# KiCad board type-c-card_lexxpluss_2023.kicad_pcb (continued)
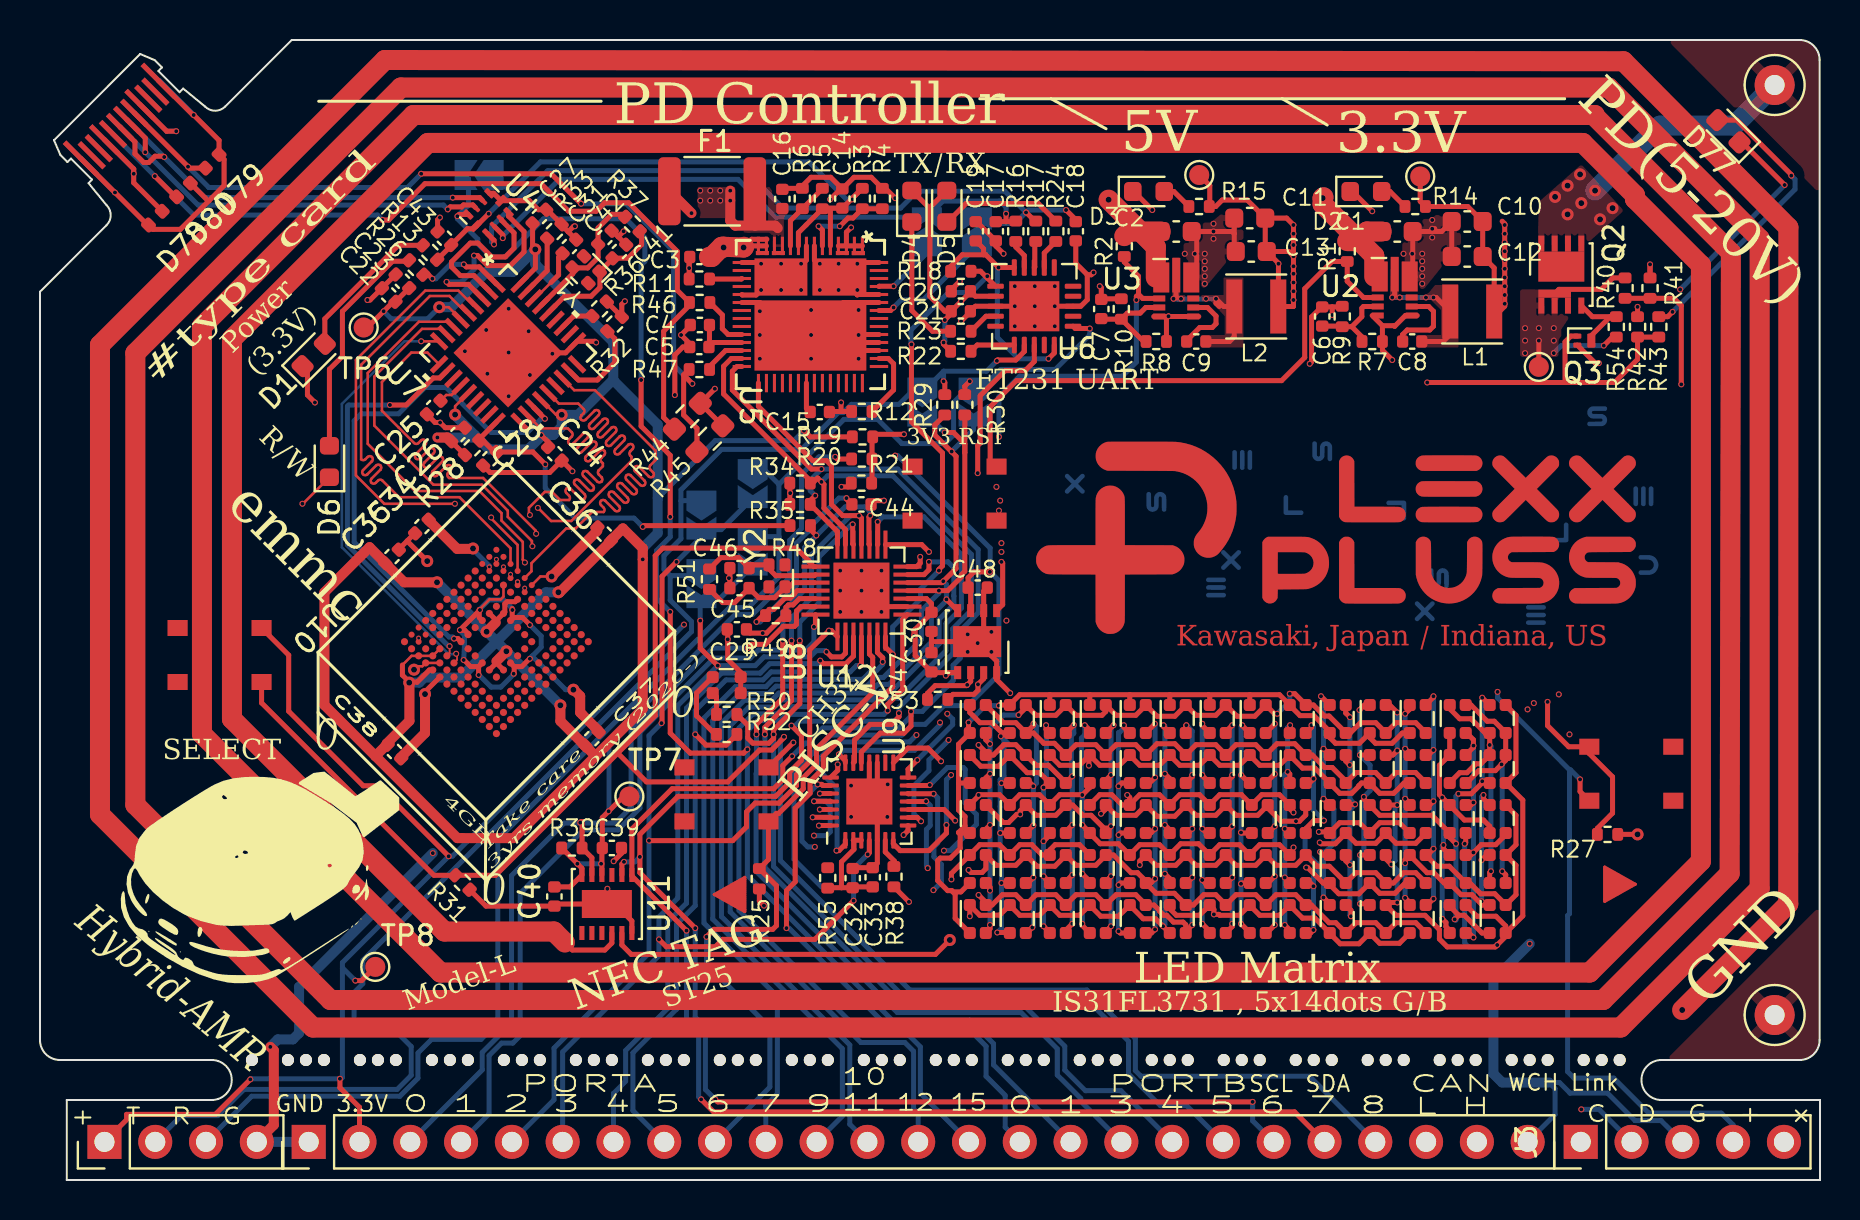
[diagram p0: board, top side]
## Library data of the parts (continued)
TP1-TP8 = -: Description: test point
U2 U3 = -: LCSC: C2158014
U4 = -: LCSC: C129313; MPN: TS3USB221ERSER
U5 = -: LCSC: C2868843
U6 = -: Description: Full Speed USB to Full Handshake UART, QFN-20; LCSC: C132159; MPN: FT231XQ-R
U7 = -: LCSC: C633328; MPN: USB2241I-AEZG-06
U8 = -: Description: CAN-FD Transceiver, Wake-Up on CAN activity, 8Mbps, 5V supply, STBY pin, 3x3 DFN-8; LCSC: C623190; MPN: MCP2542FDT-E/MF
U9 = -: Description: 9x16 LED matrix driver with 8-bit PWM and breathing, QFN-28; LCSC: C191206; MPN: IS31FL3731-QFLS2-TR
U10 = -: LCSC: C391255; MPN: THGBMNG5D1LBAIL
U11 = -: LCSC: C2654815
Y1 Y2 = -: Description: Four pin crystal, GND on pins 2 and 4; LCSC: C255976; MPN: X1E0002510046

## Footprints (pads in the part's own frame, mm; a bottom-side part is the same pattern mirrored in y, then rotated)
BGA_NG5D1LBAIL_TRAY_TOS
  round 0.3 smd: A1(-3.25,-3.25) A2(-3.25,-2.75) A3(-3.25,-2.25) A4(-3.25,-1.75) A5(-3.25,-1.25) A6(-3.25,-0.75) B1(-2.75,-3.25) B2(-2.75,-2.75) B3(-2.75,-2.25) B4(-2.75,-1.75) B5(-2.75,-1.25) B6(-2.75,-0.75) C1(-2.25,-3.25) C2(-2.25,-2.75) M1(2.25,-3.25) M2(2.25,-2.75) N1(2.75,-3.25) N2(2.75,-2.75)
  round 0.356 smd: A7(-3.25,-0.25) A8(-3.25,0.25) A9(-3.25,0.75) A10(-3.25,1.25) A11(-3.25,1.75) A12(-3.25,2.25) A13(-3.25,2.75) A14(-3.25,3.25) B7(-2.75,-0.25) B8(-2.75,0.25) B9(-2.75,0.75) B10(-2.75,1.25) B11(-2.75,1.75) B12(-2.75,2.25) B13(-2.75,2.75) B14(-2.75,3.25) C3(-2.25,-2.25) C4(-2.25,-1.75) C5(-2.25,-1.25) C6(-2.25,-0.75) C7(-2.25,-0.25) C8(-2.25,0.25) C9(-2.25,0.75) C10(-2.25,1.25) C11(-2.25,1.75) C12(-2.25,2.25) C13(-2.25,2.75) C14(-2.25,3.25) D1(-1.75,-3.25) D2(-1.75,-2.75) D3(-1.75,-2.25) D4(-1.75,-1.75) D12(-1.75,2.25) D13(-1.75,2.75) D14(-1.75,3.25) E1(-1.25,-3.25) E2(-1.25,-2.75) E3(-1.25,-2.25) E5(-1.25,-1.25) E6(-1.25,-0.75) E7(-1.25,-0.25) E8(-1.25,0.25) E9(-1.25,0.75) E10(-1.25,1.25) E12(-1.25,2.25) E13(-1.25,2.75) E14(-1.25,3.25) F1(-0.75,-3.25) F2(-0.75,-2.75) F3(-0.75,-2.25) F5(-0.75,-1.25) F10(-0.75,1.25) F12(-0.75,2.25) F13(-0.75,2.75) F14(-0.75,3.25) G1(-0.25,-3.25) G2(-0.25,-2.75) G3(-0.25,-2.25) G5(-0.25,-1.25) G10(-0.25,1.25) G12(-0.25,2.25) G13(-0.25,2.75) G14(-0.25,3.25) H1(0.25,-3.25) H2(0.25,-2.75) H3(0.25,-2.25) H5(0.25,-1.25) H10(0.25,1.25) H12(0.25,2.25) H13(0.25,2.75) H14(0.25,3.25) J1(0.75,-3.25) J2(0.75,-2.75) J3(0.75,-2.25) J5(0.75,-1.25) J10(0.75,1.25) J12(0.75,2.25) J13(0.75,2.75) J14(0.75,3.25) K1(1.25,-3.25) K2(1.25,-2.75) K3(1.25,-2.25) K5(1.25,-1.25) K6(1.25,-0.75) K7(1.25,-0.25) K8(1.25,0.25) K9(1.25,0.75) K10(1.25,1.25) K12(1.25,2.25) K13(1.25,2.75) K14(1.25,3.25) L1(1.75,-3.25) L2(1.75,-2.75) L3(1.75,-2.25) L12(1.75,2.25) L13(1.75,2.75) L14(1.75,3.25) M3(2.25,-2.25) M4(2.25,-1.75) M5(2.25,-1.25) M6(2.25,-0.75) M7(2.25,-0.25) M8(2.25,0.25) M9(2.25,0.75) M10(2.25,1.25) M11(2.25,1.75) M12(2.25,2.25) M13(2.25,2.75) M14(2.25,3.25) N3(2.75,-2.25) N4(2.75,-1.75) N5(2.75,-1.25) N6(2.75,-0.75) N7(2.75,-0.25) N8(2.75,0.25) N9(2.75,0.75) N10(2.75,1.25) N11(2.75,1.75) N12(2.75,2.25) N13(2.75,2.75) N14(2.75,3.25) P1(3.25,-3.25) P2(3.25,-2.75) P3(3.25,-2.25) P4(3.25,-1.75) P5(3.25,-1.25) P6(3.25,-0.75) P7(3.25,-0.25) P8(3.25,0.25) P9(3.25,0.75) P10(3.25,1.25) P11(3.25,1.75) P12(3.25,2.25) P13(3.25,2.75) P14(3.25,3.25)
C_0402_1005Metric
  rrect 0.56x0.62 smd: 1(-0.48,0) 2(0.48,0)
C_0603_1608Metric
  rrect 0.9x0.95 smd: 1(-0.775,0) 2(0.775,0)
DFN-8-1EP_3x3mm_P0.65mm_EP1.55x2.4mm
  rect 0.6x1 smd: (-0.388,0.6) (-0.388,-0.6) (0.388,0.6) (0.388,-0.6)
  rect 0.65x0.35 smd: 1(-1.55,0.975) 2(-1.55,0.325) 3(-1.55,-0.325) 4(-1.55,-0.975) 5(1.55,-0.975) 6(1.55,-0.325) 7(1.55,0.325) 8(1.55,0.975)
  rect 1.55x2.4 smd: 9(0,0)
drill-hall-0.6
  round 0.6 hole 0.6 unplated: (0,0)
Fuse_0402_1005Metric
  rrect 0.59x0.64 smd: 1(-0.485,0) 2(0.485,0)
Fuse_1812_4532Metric
  rrect 1.125x3.4 smd: 1(-2.138,0) 2(2.138,0)
IRFHM9331PbF
  rect 0.6x1 smd: (0.175,0.6) (0.175,-0.6) (0.95,0.6) (0.95,-0.6)
  rect 0.8x0.3 smd: 1(-1.55,1) 2(-1.55,0.333) 3(-1.55,-0.333) 4(-1.55,-1) 5(1.55,-1) 6(1.55,-0.333) 7(1.55,0.333) 8(1.55,1)
  rect 1.5x2.3 smd: 9(0.4,0)
  rect 0.4x1.633 smd: 10(-0.95,0.333)
L_Taiyo-Yuden_NR-30xx
  rect 0.8x2.7 smd: 1(-1.1,0) 2(1.1,0)
LED_0603_1608Metric
  rrect 0.875x0.95 smd: 1(-0.787,0) 2(0.787,0)
MHT194UGBCT
  rrect 0.6x0.6 smd: 1(-0.4,0.7) 2(0.4,0.7) 3(-0.4,-0.7) 4(0.4,-0.7)
PinHeader_1x04_P2.54mm_Vertical
  rect 1.7x1.7 hole 1: 1(0,0)
  oval 1.7x1.7 hole 1: 2(0,-2.54) 3(0,-5.08) 4(0,-7.62)
PinHeader_1x05_P2.54mm_Vertical
  rect 1.7x1.7 hole 1: 1(0,0)
  oval 1.7x1.7 hole 1: 2(0,-2.54) 3(0,-5.08) 4(0,-7.62) 5(0,-10.16)
PinHeader_1x25_P2.54mm_Vertical
  rect 1.7x1.7 hole 1: 1(0,0)
  oval 1.7x1.7 hole 1: 2(0,-2.54) 3(0,-5.08) 4(0,-7.62) 5(0,-10.16) 6(0,-12.7) 7(0,-15.24) 8(0,-17.78) 9(0,-20.32) 10(0,-22.86) 11(0,-25.4) 12(0,-27.94) 13(0,-30.48) 14(0,-33.02) 15(0,-35.56) 16(0,-38.1) 17(0,-40.64) 18(0,-43.18) 19(0,-45.72) 20(0,-48.26) 21(0,-50.8) 22(0,-53.34) 23(0,-55.88) 24(0,-58.42) 25(0,-60.96)
QFN36_6X6MC_MCH
  rect 1.067x0.254 smd: 1(-2.845,2.032) 2(-2.845,1.524) 3(-2.845,1.016) 4(-2.845,0.508) 5(-2.845,0) 6(-2.845,-0.508) 7(-2.845,-1.016) 8(-2.845,-1.524) 9(-2.845,-2.032) 19(2.845,-2.032) 20(2.845,-1.524) 21(2.845,-1.016) 22(2.845,-0.508) 23(2.845,0) 24(2.845,0.508) 25(2.845,1.016) 26(2.845,1.524) 27(2.845,2.032)
  rect 0.254x1.067 smd: 10(-2.032,-2.845) 11(-1.524,-2.845) 12(-1.016,-2.845) 13(-0.508,-2.845) 14(0,-2.845) 15(0.508,-2.845) 16(1.016,-2.845) 17(1.524,-2.845) 18(2.032,-2.845) 28(2.032,2.845) 29(1.524,2.845) 30(1.016,2.845) 31(0.508,2.845) 32(0,2.845) 33(-0.508,2.845) 34(-1.016,2.845) 35(-1.524,2.845) 36(-2.032,2.845)
  rect 3.861x3.861 smd: 37(0,0)
QFN-20-1EP_4x4mm_P0.5mm_EP2.5x2.5mm
  rrect 1.01x1.01 smd: (-0.625,0.625) (-0.625,-0.625) (0.625,0.625) (0.625,-0.625)
  rrect 0.825x0.25 smd: 1(-1.938,1) 2(-1.938,0.5) 3(-1.938,0) 4(-1.938,-0.5) 5(-1.938,-1) 11(1.938,-1) 12(1.938,-0.5) 13(1.938,0) 14(1.938,0.5) 15(1.938,1)
  rrect 0.25x0.825 smd: 6(-1,-1.938) 7(-0.5,-1.938) 8(0,-1.938) 9(0.5,-1.938) 10(1,-1.938) 16(1,1.938) 17(0.5,1.938) 18(0,1.938) 19(-0.5,1.938) 20(-1,1.938)
  rect 2.5x2.5 smd: 21(0,0)
QFN-28-1EP_4x4mm_P0.4mm_EP2.3x2.3mm
  rrect 0.93x0.93 smd: (-0.575,0.575) (-0.575,-0.575) (0.575,0.575) (0.575,-0.575)
  rrect 0.825x0.2 smd: 1(-1.938,1.2) 2(-1.938,0.8) 3(-1.938,0.4) 4(-1.938,0) 5(-1.938,-0.4) 6(-1.938,-0.8) 7(-1.938,-1.2) 15(1.938,-1.2) 16(1.938,-0.8) 17(1.938,-0.4) 18(1.938,0) 19(1.938,0.4) 20(1.938,0.8) 21(1.938,1.2)
  rrect 0.2x0.825 smd: 8(-1.2,-1.938) 9(-0.8,-1.938) 10(-0.4,-1.938) 11(0,-1.938) 12(0.4,-1.938) 13(0.8,-1.938) 14(1.2,-1.938) 22(1.2,1.938) 23(0.8,1.938) 24(0.4,1.938) 25(0,1.938) 26(-0.4,1.938) 27(-0.8,1.938) 28(-1.2,1.938)
  rect 2.3x2.3 smd: 29(0,0)
R_0402_1005Metric
  rrect 0.54x0.64 smd: 1(-0.51,0) 2(0.51,0)
R_0603_1608Metric_Pad0.98x0.95mm_HandSolder
  rrect 0.975x0.95 smd: 1(-0.912,0) 2(0.912,0)
RSH56_7P15X7P15_TEX
  rect 0.914x0.152 smd: 1(-3.429,2.6) 2(-3.429,2.2) 3(-3.429,1.8) 4(-3.429,1.4) 5(-3.429,1) 6(-3.429,0.6) 7(-3.429,0.2) 8(-3.429,-0.2) 9(-3.429,-0.6) 10(-3.429,-1) 11(-3.429,-1.4) 12(-3.429,-1.8) 13(-3.429,-2.2) 14(-3.429,-2.6) 29(3.429,-2.6) 30(3.429,-2.2) 31(3.429,-1.8) 32(3.429,-1.4) 33(3.429,-1) 34(3.429,-0.6) 35(3.429,-0.2) 36(3.429,0.2) 37(3.429,0.6) 38(3.429,1) 39(3.429,1.4) 40(3.429,1.8) 41(3.429,2.2) 42(3.429,2.6)
  rect 0.152x0.914 smd: 15(-2.6,-3.429) 16(-2.2,-3.429) 17(-1.8,-3.429) 18(-1.4,-3.429) 19(-1,-3.429) 20(-0.6,-3.429) 21(-0.2,-3.429) 22(0.2,-3.429) 23(0.6,-3.429) 24(1,-3.429) 25(1.4,-3.429) 26(1.8,-3.429) 27(2.2,-3.429) 28(2.6,-3.429) 43(2.6,3.429) 44(2.2,3.429) 45(1.8,3.429) 46(1.4,3.429) 47(1,3.429) 48(0.6,3.429) 49(0.2,3.429) 50(-0.2,3.429) 51(-0.6,3.429) 52(-1,3.429) 53(-1.4,3.429) 54(-1.8,3.429) 55(-2.2,3.429) 56(-2.6,3.429)
  rect 1.854x2.692 smd: 57(-1.875,1.45)
  rect 1.854x2.642 smd: 58(-1.875,-1.475)
  rect 3.505x5.588 smd: 59(1.05,0)
Seiko-Epson-X1E0002510046
  rrect 0.65x0.55 smd: 1(-0.55,-0.4) 2(0.55,-0.4) 3(0.55,0.4) 4(-0.55,0.4)
SolderJumper-2_P1.3mm_Open_TrianglePad1.0x1.5mm
  custom 1.5x1.5 smd: 1(-0.725,0)
  custom 1.15x1.5 smd: 2(0.725,0)
SOT-883
  rrect 0.4x0.25 smd: 1(-0.35,0.225) 2(-0.35,-0.225)
  rrect 0.4x0.7 smd: 3(0.35,0)
ST25DV04K-JFR6D3
  rect 1.4x2.5 smd: 0(0,0)
  rect 0.7x0.25 smd: 1(-1.45,1.25) 2(-1.45,0.75) 3(-1.45,0.25) 4(-1.45,-0.25) 5(-1.45,-0.75) 6(-1.45,-1.25) 7(1.45,-1.25) 8(1.45,-0.75) 9(1.45,-0.25) 10(1.45,0.25) 11(1.45,0.75) 12(1.45,1.25)
Switch_Tact_TS-1059U-B3
  rect 1x0.8 smd: 1(-2.1,1.35) 2(-2.1,-1.35) 3(2.1,1.35) 4(2.1,-1.35)
TestPoint_Loop_D1.80mm_Drill1.0mm_Beaded
  round 2 hole 1: 1(0,0)
TestPoint_Pad_D1.0mm
  round 1 smd: 1(0,0)
Texas_UQFN-10_1.5x2mm_P0.5mm
  rrect 0.55x0.25 smd: 1(-0.675,0.75) 4(-0.675,-0.75) 6(0.675,-0.75) 9(0.675,0.75)
  rrect 0.55x0.2 smd: 2(-0.675,0.25) 3(-0.675,-0.25) 7(0.675,-0.25) 8(0.675,0.25)
  rrect 0.3x0.6 smd: 5(0,-0.9) 10(0,0.9)
unnamed
  round 0.6 hole 0.6 unplated: (-0.013,0)
USBType-C
  rect 0.25x2.3 smd: A1(-2.75,-2.85) A12(2.75,-2.85)
  rect 0.25x1.75 smd: A2(-2.25,-2.575) A3(-1.75,-2.575) A5(-0.75,-2.575) A6(-0.25,-2.575) A7(0.25,-2.575) A8(0.75,-2.575) A10(1.75,-2.575) A11(2.25,-2.575)
  rect 0.25x1.95 smd: A4(-1.25,-2.675) A9(1.25,-2.675)
  rect 0.25x2.3 smd far side: B1(2.75,-2.85) B12(-2.75,-2.85)
  rect 0.25x1.75 smd far side: B2(2.25,-2.575) B3(1.75,-2.575) B5(0.75,-2.575) B6(0.25,-2.575) B7(-0.25,-2.575) B8(-0.75,-2.575) B10(-1.75,-2.575) B11(-2.25,-2.575)
  rect 0.25x1.95 smd far side: B4(1.25,-2.675) B9(-1.25,-2.675)
V-DFN3020-13_DIO
  rect 0.8x1.5 smd: 1(-0.75,0.675) 8(0.75,0.675)
  rect 0.6x0.3 smd: 2(-0.85,-0.375) 3(-0.85,-0.826) 4(-0.85,-1.276) 5(0.85,-1.276) 6(0.85,-0.826) 7(0.85,-0.375)
  rect 0.4x1.73 smd: 9(0,0.79)
WCH-CH32V203G6U6
  rect 2.8x2.8 smd: 0(0,0)
  rect 1.4x0.2 smd: 1(-2.3,1.2) 2(-2.3,0.8) 3(-2.3,0.4) 4(-2.3,0) 5(-2.3,-0.4) 6(-2.3,-0.8) 7(-2.3,-1.2) 15(2.3,-1.2) 16(2.3,-0.8) 17(2.3,-0.4) 18(2.3,0) 19(2.3,0.4) 20(2.3,0.8) 21(2.3,1.2)
  rect 0.2x1.4 smd: 8(-1.2,-2.3) 9(-0.8,-2.3) 10(-0.4,-2.3) 11(0,-2.3) 12(0.4,-2.3) 13(0.8,-2.3) 14(1.2,-2.3) 22(1.2,2.3) 23(0.8,2.3) 24(0.4,2.3) 25(0,2.3) 26(-0.4,2.3) 27(-0.8,2.3) 28(-1.2,2.3)

## Nets
/3V3: C6.2 C10.1 C12.1 L1.1 R9.2 R14.1 R19.1 R20.1 R21.1 TP2.1
/4V5: C7.2 C11.1 C13.1 C20.2 C21.1 C48.1 D4.2 D5.2 L2.1 R10.2 R15.1 R22.1 R55.1 TP1.1 U6.12 U8.3
/VBUS: C16.1 F1.1 Q2.1 Q2.2 Q2.3 Q2.10 R40.2 R54.2 TP3.1 U5.11 U5.12
GND: C1.2 C2.2 C3.2 C4.2 C5.2 C10.2 C11.2 C12.2 C13.2 C14.2 C15.2 C16.2 C17.1 C18.2 C19.1 C20.1 C21.2 C22.2 C23.2 C24.2 C25.2 C26.2 C27.2 C28.2 C29.2 C30.2 C31.2 C32.2 C33.2 C34.2 C35.2 C36.2 C37.2 C38.2 C39.2 C40.2 C41.2 C42.1 C43.2 C45.2 C46.1 C47.2 C48.2 D1.1 D2.1 D3.1 D6.1 D77.1 D78.1 D79.1 D80.1 D81.3 D81.4 J1.4 J3.3 J4.1 J4.25 Q3.2 R4.2 R6.2 R7.1 R8.1 R11.1 R12.2 R25.2 R27.2 R31.2 R32.2 R33.2 R36.2 R38.2 R41.2 R42.1 R44.2 R45.2 SW1.1 TP5.1 U1.A1 U1.A12 U1.B1 U1.B12 U2.4 U2.5 U2.8 U3.4 U3.5 U3.8 U4.5 U4.6 U5.1 U5.2 U5.3 U5.4 U5.20 U5.45 U5.46 U5.47 U5.51 U5.59 U6.3 U6.13 U6.21 U7.28 U7.37 U8.2 U8.8 U8.9 U9.5 U9.17 U9.18 U9.29 U10.A6 U10.C4 U10.E7 U10.G5 U10.H10 U10.J5 U10.K8 U10.N2 U10.N5 U10.P4 U10.P6 U11.0 U11.6 U12.0 U12.16
/1D+: C18.1 JP2.2 R17.1 U4.1
/1D-: C17.2 JP1.2 R16.1 U4.2
/CANH: J4.24 R53.1 U8.7
/CANL: J4.23 R53.2 U8.6
/CLK: U7.9 U10.M6
/CMD: U7.11 U10.M5
/D0: U7.5 U10.A3
/D1: U7.4 U10.A4
/D2: U7.25 U10.A5
/D3: U7.23 U10.B2
/D4: U7.20 U10.B3
/D5: U7.10 U10.B4
/D6: U7.8 U10.B5
/D7: U7.7 U10.B6
/DCDC_4V5_EN: J4.14 R2.1 U3.2 U12.23
/DTR: C44.1 U6.18
/FT231_RESET: J4.15 R18.1 U6.11 U12.14
/I2C_IRQ: J4.18 U5.29 U12.25
/I2C_SCL: J4.20 R34.2 U5.27 U9.20 U11.8 U12.27
/I2C_SDA: J4.21 R35.2 U5.28 U9.19 U11.7 U12.28
/LED_INTB: J4.6 JP7.2 JP9.2 U9.4 U12.9
/PA0: J4.3 R39.2 U11.11 U12.6
/PA1: J4.4 R40.1 R41.1 U12.7
/PA2: J4.5 JP6.2 JP8.2 Q3.1 R42.2 R43.1 U12.8
/PA4: J4.7 U12.10
/PA5: J4.8 R52.1 U12.11
/PA6: J4.9 R25.1 SW2.1 U12.12
/PA7: J4.10 R27.1 SW3.1 U12.13
/PA9: J4.11 JP4.2 R30.2 U12.18
/PA10/11: J4.12 JP3.2 R29.1 U8.4 U12.19
/PA12: J4.13 U8.1 U12.20
/PB1: J4.16 JP5.2 U4.9 U12.15
/PB3: J4.17 R48.1 U12.24
/PB5: J4.19 R50.1 U12.26
/PB8: J4.22 R31.1 SW4.1 U12.1
/pwr_CH332_3V3: C29.1 C30.1 C47.1 J1.1 J3.4 J4.2 R21.2 R34.1 R35.1 R49.2 SW2.2 SW3.2 SW4.2 TP8.1 U8.5 U12.5 U12.17
/pwr_emmc_3V3: C22.1 C23.1 C24.1 C26.1 C27.1 C35.1 C36.1 C37.1 C38.1 R19.2 R28.1 TP6.1 U7.6 U7.14 U7.22 U7.36 U10.C6 U10.E6 U10.F5 U10.J10 U10.K9 U10.M4 U10.N4 U10.P3 U10.P5
/pwr_RFID_3V3: C39.1 C40.1 R20.2 R39.1 TP7.1 U11.10 U11.12
/RST: U7.21 U10.K5
/RXD: J1.3 JP3.1 JP7.1 JP8.1 R30.1 U6.1
/TXD: J1.2 JP4.1 JP6.1 JP9.1 R29.2 U6.17
USB-CC1: D80.2 R44.1 R46.1 U1.A5
USB-CC2: D79.2 R45.1 R47.1 U1.B5
Net-(C8-Pad1): C8.1 L1.2 U2.9
Net-(C9-Pad1): C9.1 L2.2 U3.9
Net-(C25-Pad1): C25.1 U7.13
Net-(C31-Pad1): C31.1 U7.34
Net-(D1-A): D1.2 R13.2
Net-(D2-A): D2.2 R14.2
Net-(D3-A): D3.2 R15.2
Net-(D4-K): D4.1 R23.1
Net-(D5-K): D5.1 R24.1
Net-(D6-A): D6.2 R26.2
Net-(D10-A1): D7.3 D8.1 D9.1 D10.1 D11.1 D12.1 D13.1 D14.1 D15.1 D16.3 D25.3 D34.3 D43.3 D52.3 D61.3 D69.3 U9.21
Net-(D10-A2): D7.4 D8.2 D9.2 D10.2 D11.2 D12.2 D13.2 D14.2 D15.2 D16.4 D25.4 D34.4 D43.4 D52.4 D61.4 D69.4 U9.7
Net-(D10-K1): D10.3 D19.3 D25.1 D26.1 D27.1 D28.3 D37.3 D38.1 D39.1 D40.1 D41.1 D42.1 D46.3 D55.3 D64.3 D72.3 U9.24
Net-(D10-K2): D10.4 D19.4 D25.2 D26.2 D27.2 D28.4 D37.4 D38.2 D39.2 D40.2 D41.2 D42.2 D46.4 D55.4 D64.4 D72.4 U9.10
Net-(D11-K1): D11.3 D20.3 D29.3 D34.1 D35.1 D36.1 D37.1 D38.3 D47.3 D48.1 D49.1 D50.1 D51.1 D56.3 D65.3 D73.3 U9.25
Net-(D11-K2): D11.4 D20.4 D29.4 D34.2 D35.2 D36.2 D37.2 D38.4 D47.4 D48.2 D49.2 D50.2 D51.2 D56.4 D65.4 D73.4 U9.11
Net-(D12-K1): D12.3 D21.3 D30.3 D39.3 D43.1 D44.1 D45.1 D46.1 D47.1 D48.3 D57.3 D58.1 D59.1 D60.1 D66.3 D74.3 U9.26
Net-(D12-K2): D12.4 D21.4 D30.4 D39.4 D43.2 D44.2 D45.2 D46.2 D47.2 D48.4 D57.4 D58.2 D59.2 D60.2 D66.4 D74.4 U9.12
Net-(D13-K1): D13.3 D22.3 D31.3 D40.3 D49.3 D52.1 D53.1 D54.1 D55.1 D56.1 D57.1 D58.3 D67.3 D68.1 D75.3 U9.27
Net-(D13-K2): D13.4 D22.4 D31.4 D40.4 D49.4 D52.2 D53.2 D54.2 D55.2 D56.2 D57.2 D58.4 D67.4 D68.2 D75.4 U9.13
Net-(D14-K1): D14.3 D23.3 D32.3 D41.3 D50.3 D59.3 D61.1 D62.1 D63.1 D64.1 D65.1 D66.1 D67.1 D68.3 D76.3 U9.28
Net-(D14-K2): D14.4 D23.4 D32.4 D41.4 D50.4 D59.4 D61.2 D62.2 D63.2 D64.2 D65.2 D66.2 D67.2 D68.4 D76.4 U9.14
Net-(D15-K1): D15.3 D24.3 D33.3 D42.3 D51.3 D60.3 D69.1 D70.1 D71.1 D72.1 D73.1 D74.1 D75.1 D76.1 U9.1
Net-(D15-K2): D15.4 D24.4 D33.4 D42.4 D51.4 D60.4 D69.2 D70.2 D71.2 D72.2 D73.2 D74.2 D75.2 D76.2 U9.15
Net-(D16-A1): D9.3 D16.1 D17.1 D18.3 D27.3 D28.1 D29.1 D30.1 D31.1 D32.1 D33.1 D36.3 D45.3 D54.3 D63.3 D71.3 U9.23
Net-(D16-A2): D9.4 D16.2 D17.2 D18.4 D27.4 D28.2 D29.2 D30.2 D31.2 D32.2 D33.2 D36.4 D45.4 D54.4 D63.4 D71.4 U9.9
Net-(D17-K1): D7.1 D8.3 D17.3 D18.1 D19.1 D20.1 D21.1 D22.1 D23.1 D24.1 D26.3 D35.3 D44.3 D53.3 D62.3 D70.3 U9.22
Net-(D17-K2): D7.2 D8.4 D17.4 D18.2 D19.2 D20.2 D21.2 D22.2 D23.2 D24.2 D26.4 D35.4 D44.4 D53.4 D62.4 D70.4 U9.8
Net-(D77-A): D77.2 R43.2
Net-(D78-A2): C3.1 D78.2 U1.A4 U1.A9 U1.B4 U1.B9 U5.13 U5.14
Net-(D81-A1): D81.1 R50.2
Net-(D81-A2): D81.2 R52.2
Net-(J3-Pin_1): J3.1 U12.22
Net-(J3-Pin_2): J3.2 U12.21
Net-(JP1-A): JP1.1 U5.53
Net-(JP2-A): JP2.1 U5.50
Net-(JP5-A): C14.1 C43.1 JP5.1 R3.1 R5.1 R13.1 U4.10 U5.5 U5.9
Net-(Q2-D-Pad5): Q2.5 Q2.6 Q2.7 Q2.8 Q2.9 TP4.1
Net-(Q2-G): Q2.4 Q3.3 R54.1
Net-(U2-BST): C8.2 U2.6
Net-(U2-EN): R1.1 SW1.2 U2.2
Net-(U2-FB): C6.1 R7.2 R9.1 U2.3
Net-(U2-VIN): C1.1 C2.1 F1.2 R1.2 R2.2 U2.1 U3.1
Net-(U3-BST): C9.2 U3.6
Net-(U3-FB): C7.1 R8.2 R10.1 U3.3
Net-(U4-2D+): U4.3 U7.2
Net-(U4-2D-): U4.4 U7.3
Net-(U4-D+): U1.A6 U1.B6 U4.8
Net-(U4-D-): U1.A7 U1.B7 U4.7
Net-(U5-ADCIN1): R3.2 R4.1 U5.6
Net-(U5-ADCIN2): R5.2 R6.1 U5.10
Net-(U5-C_CC1): R46.2 U5.24
Net-(U5-C_CC2): R47.2 U5.26
Net-(U5-DRAIN1-Pad15): U5.8 U5.15 U5.19 U5.58
Net-(U5-DRAIN2-Pad52): U5.7 U5.52 U5.56 U5.57
Net-(U5-GPIO1): R11.2 U5.17
Net-(U5-HRESET): R12.1 U5.44
Net-(U5-LDO_1V8): C15.1 U5.35
Net-(U5-PP_CABLE): C4.1 C5.1 U5.25
Net-(U6-3V3OUT): C19.2 R18.2 U6.10 U6.20
Net-(U6-CBUS1): R23.2 U6.14
Net-(U6-CBUS2): R24.2 U6.7
Net-(U6-CBUS3): R22.2 U6.16
Net-(U6-USBDM): R16.2 U6.9
Net-(U6-USBDP): R17.2 U6.8
Net-(U7-GPIO1(LED)): R26.1 U7.1
Net-(U7-GPIO6(SD_WP)/MS_SCLK): R36.1 U7.30
Net-(U7-GPIO15(SD_NCD)): R32.1 U7.26
Net-(U7-RBIAS): R33.1 U7.35
Net-(U7-RESET_N): C28.1 R28.2 R48.2 U7.18
Net-(U7-XTAL1(CLKIN)): C42.2 R37.2 U7.33 Y1.3
Net-(U7-XTAL2): C41.1 R37.1 U7.32 Y1.1
Net-(U9-R_EXT): R38.1 U9.6
Net-(U9-VCC): C32.1 C33.1 R55.2 U9.2 U9.3
Net-(U10A-VDDi): C34.1 U10.C2
Net-(U11-AC0): U11.4 U11.5
Net-(U12-NRST): C44.2 R49.1 U12.4
Net-(U12-OSC_IN/PD0): C46.2 R51.2 U12.2 Y2.3
Net-(U12-OSC_OUT/PD1): C45.1 R51.1 U12.3 Y2.1

Pads without a net: J3 5; SW1 3 4; SW2 3 4; SW3 3 4; SW4 3 4; U1 A2 A3 A8 A10 A11 B2 B3 B8 B10 B11; U2 7; U3 7; U5 16 18 21 22 23 30 31 32 33 34 36 37 38 39 40 41 42 43 48 49 54 55; U6 2 4 5 6 15 19; U7 12 15 16 17 19 24 27 29 31; U9 16; U10 A1 A2 A7 A8 A9 A10 A11 A12 A13 A14 B1 B7 B8 B9 B10 B11 B12 B13 B14 C1 C3 C5 C7 C8 C9 C10 C11 C12 C13 C14 D1 D2 D3 D4 D12 D13 D14 E1 E2 E3 E5 E8 E9 E10 E12 E13 E14 F1 F2 F3 F10 F12 F13 F14 G1 G2 G3 G10 G12 G13 G14 H1 H2 H3 H5 H12 H13 H14 J1 J2 J3 J12 J13 J14 K1 K2 K3 K6 K7 K10 K12 K13 K14 L1 L2 L3 L12 L13 L14 M1 M2 M3 M7 M8 M9 M10 M11 M12 M13 M14 N1 N3 N6 N7 N8 N9 N10 N11 N12 N13 N14 P1 P2 P7 P8 P9 P10 P11 P12 P13 P14; U11 1 2 3 9; Y1 2 4; Y2 2 4

## Via types
v1: diameter 0.25, hole 0.15, Top to Bottom, 7 vias
v2: diameter 0.3, hole 0.2, Top to Bottom, 528 vias
v3: diameter 0.6, hole 0.3, Top to Bottom, 31 vias

## Routing (per net, layer and track width the routed paths; a pad name or vN(x,y) marks a point on that pad's centre or on a via; arc(x,y) is an arc through that point)
/3V3: length 45.2
  Top w0.25: 41.61,34.8 R20.1 41.61,37.3 41.62,37.29 v2(43.21,37.29) ; 73.12,47.94 73.25,47.81 v2(73.25,47.75) v2(73.25,47.31) v2(73.25,46.88) v2(73.25,46.44) v2(73.25,46) v2(73.25,45.56) v2(73.25,45.12) v2(73.25,44.69) v2(73.25,44.25) v2(73.25,43.81) 73.25,43.69 72.99,43.42 L1.1 72.72,45.6 C12.1 C10.1 71.4,48.67 R14.1 69.03,48.94 TP2.1 ; 64.62,43.66 64.09,43.66 63.59,43.15 63.59,40.9 v2(63.5,40.81) ; 64.62,43.66 65.09,43.66 R9.2 ; 64.62,43.66 v2(64.62,43.25)
  In2.Cu w0.25: v2(63.5,40.81) 62.66,39.97 50.16,39.97 47.03,36.84 43.65,36.84 v2(43.21,37.29)
/4V5: length 74
  Top w0.25: v2(62.69,46.19) v2(62.69,45.69) v2(62.69,45.31) v2(62.69,44.88) v2(62.69,44.44) v2(62.69,44) 62.69,43.69 62.68,43.67 L2.1 v2(61.94,45.81) 61.93,45.8 ; v2(62.69,46.19) v2(62.69,46.75) v2(62.69,47.31) v2(62.69,47.75) 62.34,48.09 C11.1 ; v2(62.69,46.19) 62.45,46.42 C13.1 ; v2(53,44.69) 53.07,44.61 C7.2 53.1,44.06 R10.2 ; D4.2 44.45,48.62 44.5,48.62 ; 44.5,48.62 44.5,44.19 45.25,43.44 C21.1 ; 44.5,48.62 D5.2 ; v2(45.19,41.88) 45.19,41.79 R22.1 ; C21.1 46.06,43.93 v2(46.06,43.94) 46.07,43.94 46.53,44.4 C20.2 46.78,44.19 U6.12 ; C21.1 45.57,43.32 v2(45.25,43) ; C13.1 61.28,46.5 C11.1 ; C13.1 61.93,45.85 ; U8.3 46.54,29.49 C48.1 46.41,30.11 46.71,30.41 v2(47.5,30.41) ; C11.1 60.37,49 59.12,49 58.8,48.67 R15.1 58.5,48.7 58.5,49.73 TP1.1
  In2.Cu w0.25: v2(42.77,36.22) 42.83,36.28 42.83,39.52 v2(45.19,41.88)
  Bottom w0.25: 47.52,30.41 47.96,29.97 47.96,25.28 46.39,23.72 45.21,23.72 44.27,22.78 43.64,22.78 43.11,22.25 39.55,22.25 37.71,20.41 37.71,16.03 39.08,14.66 ; 47.52,30.41 47.52,31.59 42.89,36.22 v2(42.77,36.22) ; 47.52,30.41 v2(47.5,30.41) ; v2(45.19,41.88) 45.25,41.94 v2(45.25,43)
/VBUS: length 14.4
  Top w0.25: R54.2 78.63,42.15 v2(78.21,41.72) ; TP3.1 v2(74.96,41.97) ; Q2.10 75.96,44.53 78.08,44.53 78.65,45.1 R40.2
  Top w0.5: 35.77,47.72 34.77,47.72 34.52,47.97 v2(34.52,48.97) v2(34.52,49.47) ; 35.77,47.72 35.75,47.74 F1.1 ; 35.77,47.72 36.77,47.72 36.89,47.59
  Bottom w0.25: v2(78.21,41.72) 76.08,41.72 v2(75.71,41.34)
  vias: v2(33.02,49.47) v2(33.02,48.97) v2(33.52,49.47) v2(33.52,48.97) v2(34.02,49.47) v2(34.02,48.97) v2(74.27,42.59) v2(74.27,41.97) v2(74.27,41.34) v2(74.96,42.59) v2(75.71,42.59) v2(75.71,41.97)
GND: length 269.2
  Top w0.09: 18.94,27.13 U10.N2
  Top w0.127: U10.A6 25.02,30.17 v3(25.58,30.17) ; D6.1 13.15,33.81 v2(13.12,33.81) ; v3(18.7,25.52) 18.88,25.69 19.12,25.69 U10.P4 U10.N5 ; U10.C4 23.18,29.17 23.04,29.03 22.48,29.03 21.97,28.52
  Top w0.25: v2(29.25,43.94) 29.1,43.78 R32.2 28.35,43.91 R36.2 ; 21.94,25.67 21.94,25.28 ; 21.94,25.67 21.54,25.67 21.23,25.98 ; 21.94,25.67 U10.K8 ; U11.0 25.83,13.8 C40.2 22.31,13.69 R31.2 ; U11.0 28.38,13.83 v2(28.38,14.56) ; U11.0 28.75,13.8 29.6,12.95 U11.6 ; U5.4 U5.1 ; 8.46,48.97 8.39,48.97 D80.1 ; 8.46,48.97 9.21,49.72 9.21,51.03 D79.1 8.95,51.98 v2(7.69,53.25) 7.65,53.25 U1.A12 ; 8.46,48.97 7.02,47.53 5.65,47.53 D78.1 5.37,47.75 v2(3.75,49.38) 3.74,49.38 U1.A1 ; U7.37 23.42,41.36 v2(23.44,41.38) 23.45,41.36 25.58,41.36 v2(25.62,41.31) 25.67,41.36 26.28,41.36 U7.28 27.75,41.93 v2(27.81,41.88) ; 57.95,43.17 56.45,43.17 v2(56.44,43.19) ; C41.2 28.91,47.16 ; 28.91,47.16 28.61,47.46 C42.1 ; 28.91,47.16 v2(29.19,47.44) ; v2(39.52,49.03) 40.04,49.55 C14.2 ; 40.06,38.42 v2(40.06,38.88) ; 40.06,38.42 39.5,38.42 39.48,38.4 ; 40.06,38.42 R12.2 ; U8.9 46.89,26.89 v2(46.89,26.84) 46.94,26.84 47.38,26.41 v2(47.58,26.41) 47.58,26.21 47.84,25.94 U8.8 47.84,25.02 v2(48.52,24.34) ; U8.9 47.19,27.24 U8.2 47.19,29.44 C48.2 ; U8.9 44.63,26.92 44.58,26.97 ; v2(48.19,46.31) 47.8,46.7 C17.1 46.84,47.92 C19.1 ; 52.38,45.26 51.8,45.84 C18.2 ; 52.38,45.26 52.38,44.01 52.05,43.69 U6.3 v2(50.75,43.69) v2(49.75,43.69) U6.21 v2(48.75,43.69) U6.13 46.78,43.69 C21.2 46.53,43.41 v2(46.06,42.94) ; 52.38,45.26 52.57,45.26 v2(52.69,45.38) ; v2(56.44,43.19) 56.43,43.17 55.7,43.17 ; v2(56.44,43.19) 56.34,43.09 56.34,41.92 ; R41.2 v2(80.52,45.78) 80.52,45.4 ; v2(36.21,13.72) 35.97,13.95 R25.2 ; C25.2 19.76,37.88 v2(20.01,37.88) 20.27,37.62 C26.2 ; v2(40.56,47.62) 40.33,47.39 U5.3 ; 44.58,26.97 C30.2 ; 44.58,26.97 C47.2 ; C4.2 32.52,42.71 v2(32.06,42.25) 32.5,41.82 C5.2 32.15,41.65 31.75,41.25 v2(31.75,39.25) ; 18.36,31.95 17.94,31.53 C35.2 ; 18.36,31.95 v3(19.36,30.94) ; 18.36,31.95 18.75,32.34 ; 69.62,47.44 69.61,47.42 C1.2 68.65,46.34 v2(68.62,46.31) 68.65,46.29 68.65,45.29 68.77,45.17 ; 69.62,47.44 69.64,47.42 70.1,47.42 C10.2 C12.2 ; 69.62,47.44 v2(69.62,47.56) 69.75,47.56 69.62,47.44 ; U9.17 41.88,19.33 U9.29 ; D81.3 D81.4 35.04,25.38 34.39,26.03 v2(34.39,27.03) 34.39,27.51 C29.2 ; C13.2 59.72,46.5 59.72,47.31 ; v2(43.46,13.91) 42.72,14.64 42.72,14.74 ; v2(16.38,44) 16.51,44 C22.2 C23.2 ; v2(26.75,47.69) 26.69,47.69 26.41,47.41 ; U5.59 39.28,41.48 40.59,41.48 40.81,41.25 40.81,41.06 41.04,41.48 U5.45 ; U5.59 38.55,42.25 v2(38.56,42.25) 38.56,42.26 40.18,43.87 U5.51 ; U5.59 38.88,41.88 U5.46 ; U5.59 38.58,42.27 40.71,42.27 40.81,42.38 40.81,42.25 v2(40.94,42.25) 40.91,42.27 U5.47 ; C14.2 40.71,50.13 41.57,50.13 R4.2 42.28,49.58 v2(42.77,49.09) ; C14.2 39.54,50.13 38.56,50.13 38.12,49.7 R6.2 37.18,49.58 C16.2 ; C39.2 29.08,16.33 v2(28.69,15.94) ; v2(20,48.12) 19.88,48.01 C43.2 ; 67.13,42.71 67.72,42.71 67.75,42.69 68.29,43.22 68.87,43.22 ; 67.13,42.71 66.62,43.22 ; 67.13,42.71 R7.1 67.13,41.49 v2(67.62,41) ; R45.2 R44.2 v2(33.75,39.56) ; 57.85,45.12 57.85,46.22 v2(57.75,46.31) 57.85,46.41 57.85,47.18 C2.2 v2(58.69,47.42) 59.61,47.42 59.72,47.31 ; D3.1 54.7,49.42 v2(55.62,48.5) ; 59.72,47.31 C11.2 ; 26.41,47.41 C31.2 26.81,47.06 ; 26.41,47.41 26.09,47.74 R33.2 25.36,48.51 C27.2 24.92,48.51 24.47,48.97 U4.5 22.69,49.34 U4.6 ; Q3.2 77.78,40.84 v2(77.96,40.84) ; 23.72,25.67 24.09,25.67 24.47,26.06 ; 23.72,25.67 U10.H10 ; 23.72,25.67 23.72,25.31 ; v2(66.62,48.44) 65.64,49.42 D2.1 ; 41.08,29.53 v2(41.08,29.47) 41.14,29.47 ; v3(19.25,24.3) 19.25,24.41 U10.P6 ; v2(87.25,49.75) 85.12,51.88 D77.1 ; U9.29 41.88,18.53 U9.5 41.88,15.85 C33.2 40.69,15.62 C32.2 ; U9.29 U9.18 ; D1.1 13.38,40.45 13.38,39.25 v2(13.75,38.88) ; v2(32.47,45.59) 32.47,46.12 ; 32.47,46.12 R11.1 ; 32.47,46.12 C3.2 ; 23.61,28.58 23.61,28.51 v2(23.62,28.5) 23.61,28.49 23.61,28.06 U10.E7 23.68,28.12 24.14,28.12 24.47,27.78 ; U10.G5 21.97,28.13 21.97,28.52 v2(22,28.5) v2(21,27.5) 20.98,27.48 21.25,27.48 21.41,27.32 U10.J5 ; v3(79.89,17.28) R27.2 ; v2(26.62,35.44) C24.2 25.49,35.38 22.51,35.38 C28.2 ; C20.1 45.57,44.51 v2(46,44.94) ; C46.1 34.5,30.14 v2(34.46,30.09) 34.5,30.05 C45.2 ; 36.44,43.44 36,43.87 U5.20 ; U12.16 41.88,28.67 41.14,29.41 ; R42.1 v2(79.89,43.66)
  Top w0.5: J1.4 11.69,2.76 11.69,6.48 v2(11.52,6.66) ; 27.88,32.47 v3(25.58,30.17) ; v3(26.67,24.52) 26.69,24.52 27.02,24.19 27.02,23.38 27.9,22.49 27.9,22.42 ; 18.01,21.11 18.02,21.11 19.25,22.34 v3(19.25,24.3)
  In1.Cu w1: 77.33,14 81,14 TP5.1
  Bottom w0.25: v2(7.69,53.25) 5.97,54.97 U1.A12 ; J4.25 75.77,3.28 75.77,4.57 75.47,4.88 75.99,4.88 76.52,4.34 78.39,4.34 79.77,2.97 81.07,2.97 J3.3 ; 23.72,25.31 23.71,25.31 v2(23.69,25.31) 23.69,25.29 23.05,24.64 22.56,24.64 21.96,25.25 v2(21.94,25.25) 21.94,25.27 21.94,25.28 ; 20.98,27.48 21.23,27.24 21.23,26.78 v2(21.19,26) 21.23,25.98 ; v3(26.67,24.52) 26.28,24.52 24.61,26.19 ; 24.61,26.19 25.06,26.64 25.06,27.19 24.51,27.75 v2(24.5,27.75) 24.5,27.76 24.47,27.78 ; 24.61,26.19 24.5,26.08 v2(24.5,26.06) 24.48,26.06 24.47,26.06 ; 23.61,28.58 23.61,28.58 23.19,29 22.45,29 21.97,28.52 ; U1.A1 2.05,51.08 v2(3.75,49.38) ; v2(87.25,49.75) v2(82.03,44.53)
  Bottom w0.5: J4.1 J1.4 ; v2(74.5,11.81) 72.69,10 72.69,5.31 73.12,4.88 75.47,4.88 ; v2(19.64,16.34) 12.96,9.66 12.96,7.34 12.64,7.03 11.89,7.03 v2(11.52,6.66)
  vias: v1(18.94,27.09) v2(21.25,41.44) v2(22.31,42.5) v2(22.38,40.31) v2(23.44,43.56) v2(23.44,39.19) v2(24.44,42.44) v2(24.5,40.25) v2(36,43.44) v2(36,42.25) v2(36,41.06) v2(38.56,43.5) v2(38.56,41.06) v2(40.02,30.47) v2(40.02,29.47) v2(40.02,28.41) v2(40.56,19.72) v2(40.56,18.16) v2(40.94,43.5) v2(40.94,41.06) v2(41.08,30.47) v2(41.08,28.41) v2(42.08,30.47) v2(42.08,29.47) v2(42.08,28.41) v2(42.39,19.78) v2(42.38,18.16) v2(46.39,27.28) v2(46.39,26.41) v2(47.58,27.41) v2(47.96,33.47) v2(48.75,44.69) v2(48.75,42.69) v2(49.75,44.69) v2(49.75,42.69) v2(50.75,44.69) v2(50.75,42.69) v2(57.25,46.31) v2(58.25,46.31) v2(58.25,45.94) v2(58.25,45.56) v2(58.25,45.19) v2(58.25,44.81) v2(58.69,47.81) v2(58.69,47.06) v2(68.19,46.31) v2(69.12,46.31) v2(69.12,45.94) v2(69.12,45.56) v2(69.12,45.19) v2(69.12,44.81) v2(69.62,48) v2(69.62,47.12)
/1D+: length 37.4
  Top w0.25: 49.31,48.39 v2(49.31,48.38) 49.32,48.38 49.75,47.95 R17.1 ; v2(51.31,48.5) 51.8,48.01 C18.1 ; v2(22.71,46.78) 22.71,46.99 U4.1
  Bottom w0.25: v2(51.31,48.5) 49.44,48.5 v2(49.31,48.38) 48.25,49.44 43.88,49.44 43.03,48.59 37.16,48.59 35.28,50.47 25.39,50.47 22.58,47.66 22.58,46.91 v2(22.71,46.78) ; 49.31,48.39 48.75,47.83 47.16,47.83 JP2.2
/1D-: length 30.2
  Top w0.25: 48.31,47.92 v2(48.31,48.31) 48.31,48.33 ; 48.31,47.92 C17.2 ; 48.31,47.92 48.77,47.92 R16.1 ; 22.72,47.67 23.14,47.26 v2(23.14,47.09)
  Bottom w0.25: 48.31,48.33 48.31,48.64 48,48.95 45.16,48.95 JP1.2 36.8,48.14 34.91,50.03 25.97,50.03 23.14,47.21 v2(23.14,47.09)
/CANH: length 55.5
  Top w0.25: R53.1 45.65,24.28 46.71,24.28 46.91,24.48 v2(46.91,24.78) 47.19,25.07 U8.7
  In1.Cu w0.25: v2(74.71,23.84) 72.71,25.84 47.96,25.84 46.91,24.8 v2(46.91,24.78)
  In2.Cu w0.25: v2(74.71,23.84) 75.42,23.13 75.42,9.31 72.89,6.78 72.89,4.59 71.86,3.56 J4.24
/CANL: length 56.9
  Top w0.25: R53.2 44.38,24.33 44.77,24.72 46.33,24.72 46.54,24.93 U8.6
  In1.Cu w0.25: v2(46.37,24.76) 46.37,24.37 46.52,24.22 47.14,24.22 48.33,25.41 72.52,25.41 v2(74.39,23.53)
  In2.Cu w0.25: v2(74.39,23.53) 74.71,23.22 74.71,12.6 72.55,10.45 72.55,5.14 J4.23
/CLK: length 21.8
  Top w0.09: 20.86,26.3 20.86,26.01 U10.M6
  Top w0.127: v2(19.06,41.94) 19.07,41.93 U7.9
  Bottom w0.127: 20.86,26.3 20.83,26.3 v2(20.81,26.31) 20.8,26.3 20.44,26.3 15.1,31.63 15.1,38.8 18.23,41.94 v2(19.06,41.94)
/CMD: length 20.3
  Top w0.09: U10.M5 20.48,26.34 v2(20.48,26.69)
  Top w0.25: v2(17.5,38.75) 18.31,38.75 19.67,40.1 20,40.1 U7.11
  Bottom w0.25: v2(17.5,38.75) 15.44,38.75 15.38,38.69 15.38,31.75 20.43,26.69 20.48,26.69
/D0: length 25
  Top w0.127: U10.A3 23.53,31.59 20.98,34.14 17.95,34.14 17.12,34.97 arc(17.01,35.02) 16.91,34.97 16.79,34.86 arc(16.69,34.81) 16.58,34.86 arc(16.54,34.96) 16.58,35.07 17.02,35.51 arc(17.07,35.62) 17.02,35.73 arc(16.92,35.77) 16.81,35.73 16.37,35.28 arc(16.26,35.24) 16.16,35.28 arc(16.11,35.39) 16.16,35.49 16.6,35.94 arc(16.64,36.04) 16.6,36.15 arc(16.49,36.19) 16.39,36.15 16.27,36.04 arc(16.17,35.99) 16.06,36.03 16.06,40.76 19.5,44.2 20.48,44.2 21.3,43.37 U7.5
/D1: length 24.7
  Top w0.127: U7.4 21.66,43.73 20.93,44.47 19.27,44.47 15.8,41 15.8,35.23 17.22,33.81 20.73,33.81 ; U10.A4 23.89,31.75 22.56,33.08 v2(22.56,33.12) 22.52,33.12
  In1.Cu w0.127: 22.52,33.12 21.39,34.25 21.17,34.25 20.75,33.83 v2(20.75,33.81) 20.73,33.81 20.73,33.81
/D2: length 24.2
  Top w0.127: U7.25 26.72,39.49 27.76,39.49 30.79,36.46 30.79,36 30.52,35.73 arc(30.48,35.63) 30.52,35.52 30.66,35.39 arc(30.7,35.28) 30.66,35.17 arc(30.55,35.13) 30.45,35.17 29.96,35.66 arc(29.86,35.7) 29.75,35.66 arc(29.71,35.55) 29.75,35.44 30.23,34.96 arc(30.28,34.86) 30.23,34.75 arc(30.13,34.71) 30.02,34.75 29.54,35.23 arc(29.43,35.28) 29.33,35.23 arc(29.28,35.13) 29.33,35.02 29.81,34.54 arc(29.85,34.43) 29.81,34.33 arc(29.7,34.28) 29.6,34.33 29.12,34.81 arc(29.01,34.85) 28.9,34.81 arc(28.86,34.7) 28.9,34.6 29.39,34.11 arc(29.43,34.01) 29.39,33.9 arc(29.28,33.86) 29.17,33.9 28.69,34.38 arc(28.59,34.43) 28.48,34.38 arc(28.44,34.28) 28.48,34.17 28.96,33.69 arc(29,33.58) 28.96,33.48 arc(28.85,33.43) 28.75,33.48 28.27,33.96 arc(28.16,34) 28.06,33.96 arc(28.01,33.85) 28.06,33.75 28.19,33.61 arc(28.23,33.51) 28.19,33.4 27.61,33.4 26.78,32.57 26.31,32.57 24.58,30.84 24.58,30.44 U10.A5
